# Altium PCB MCU063B_PCB.PcbDoc (part 1 of 9) (continued)
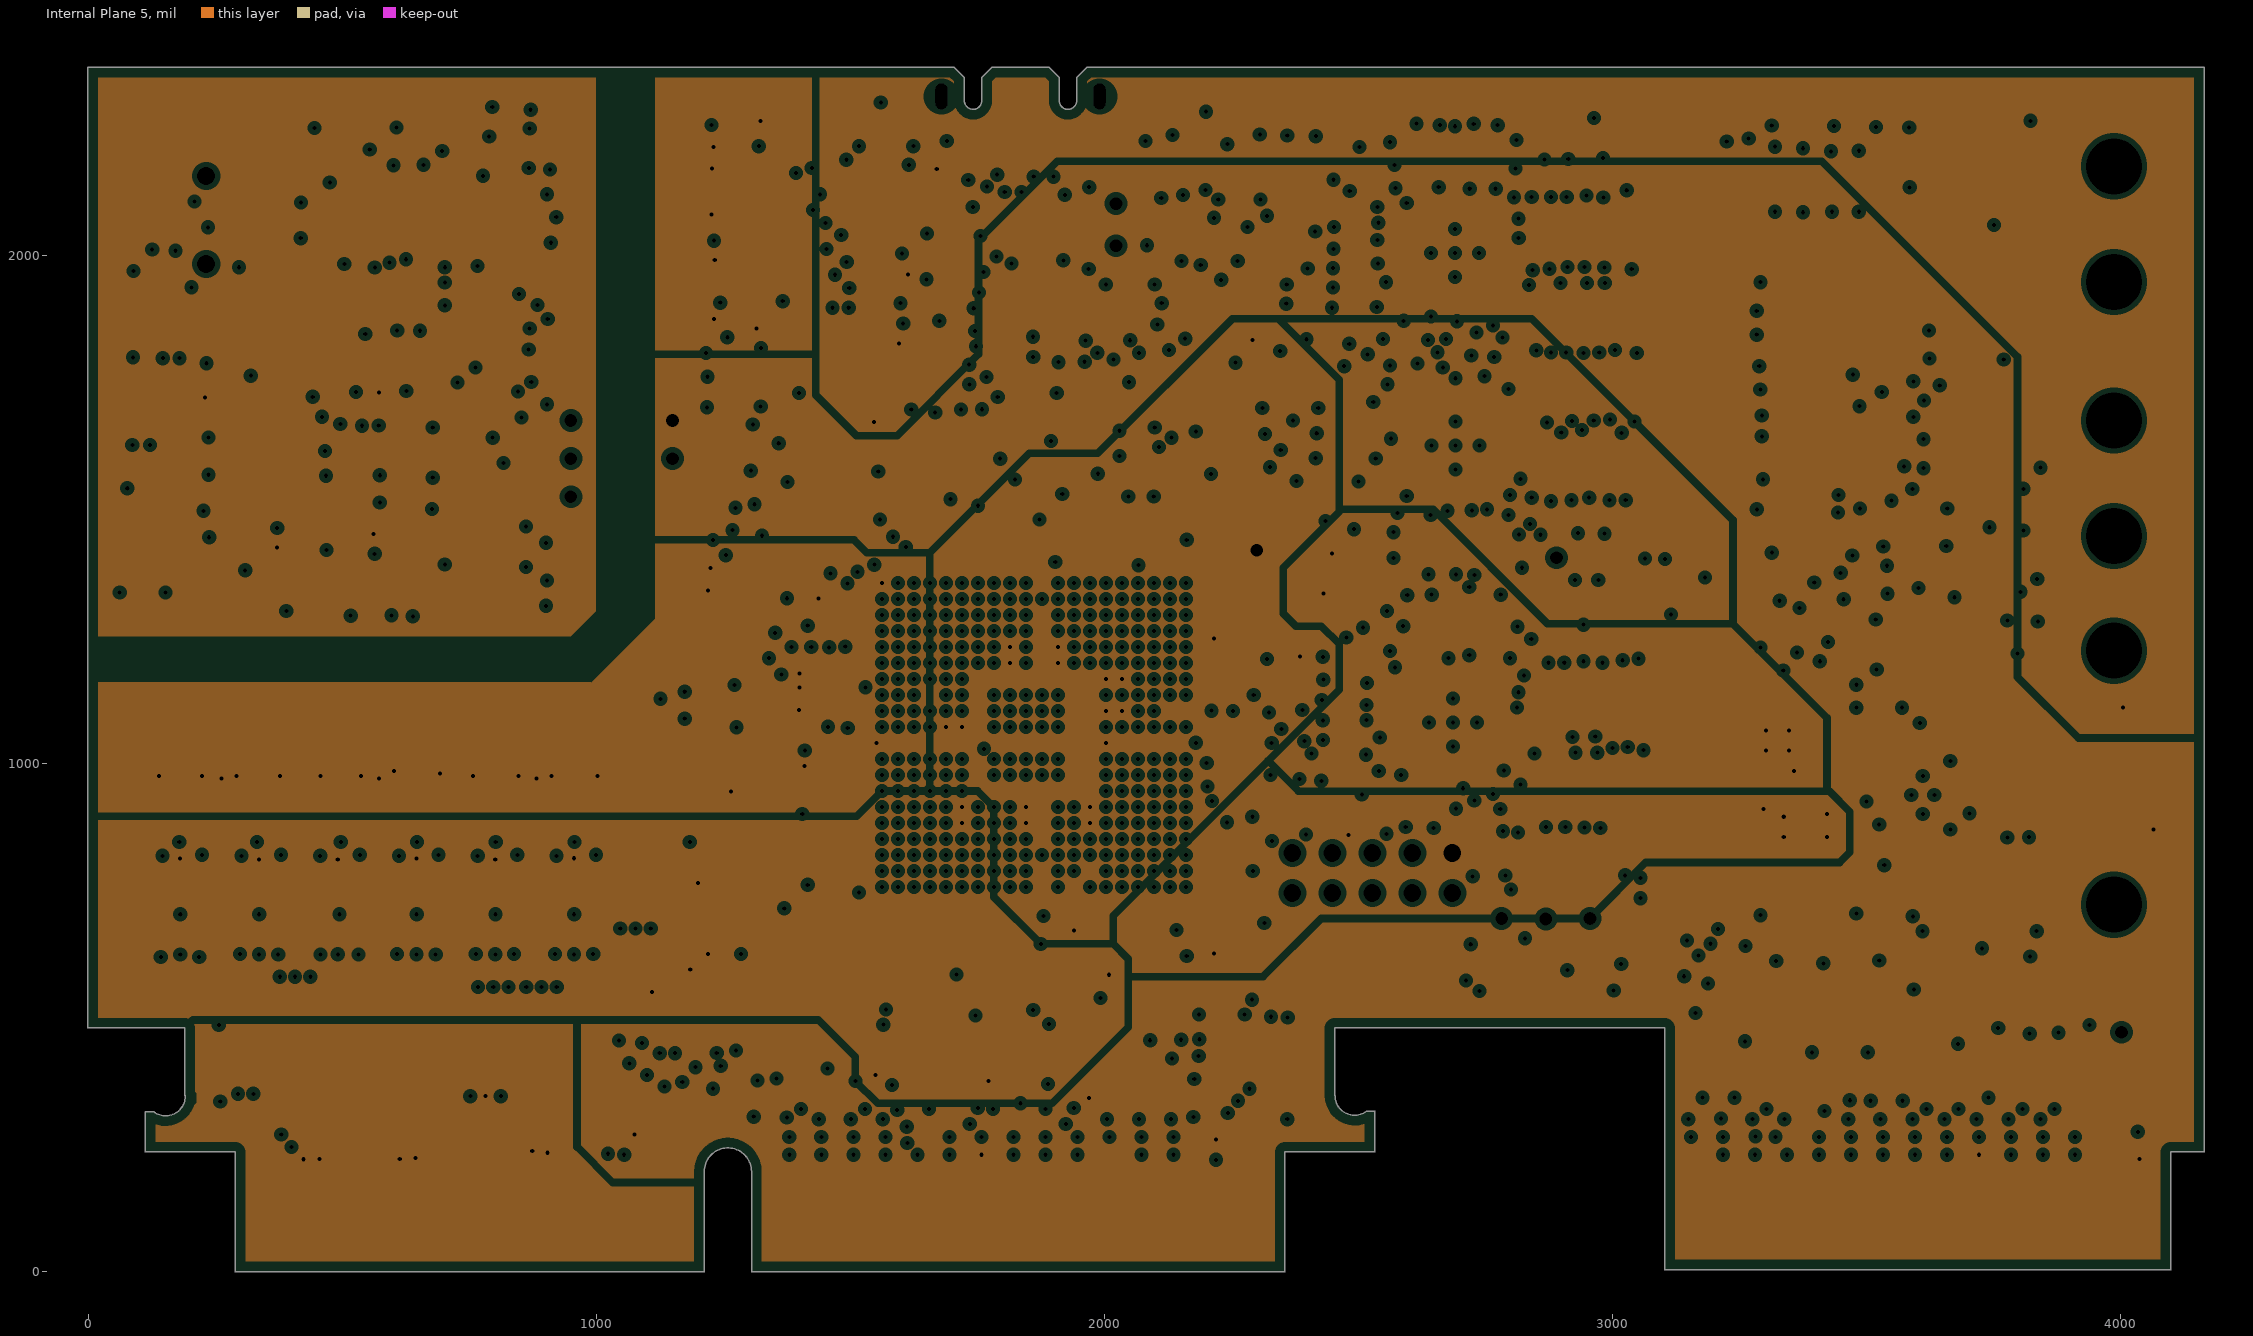
[diagram p5: Internal Plane 5, clearances drawn from the general rule]
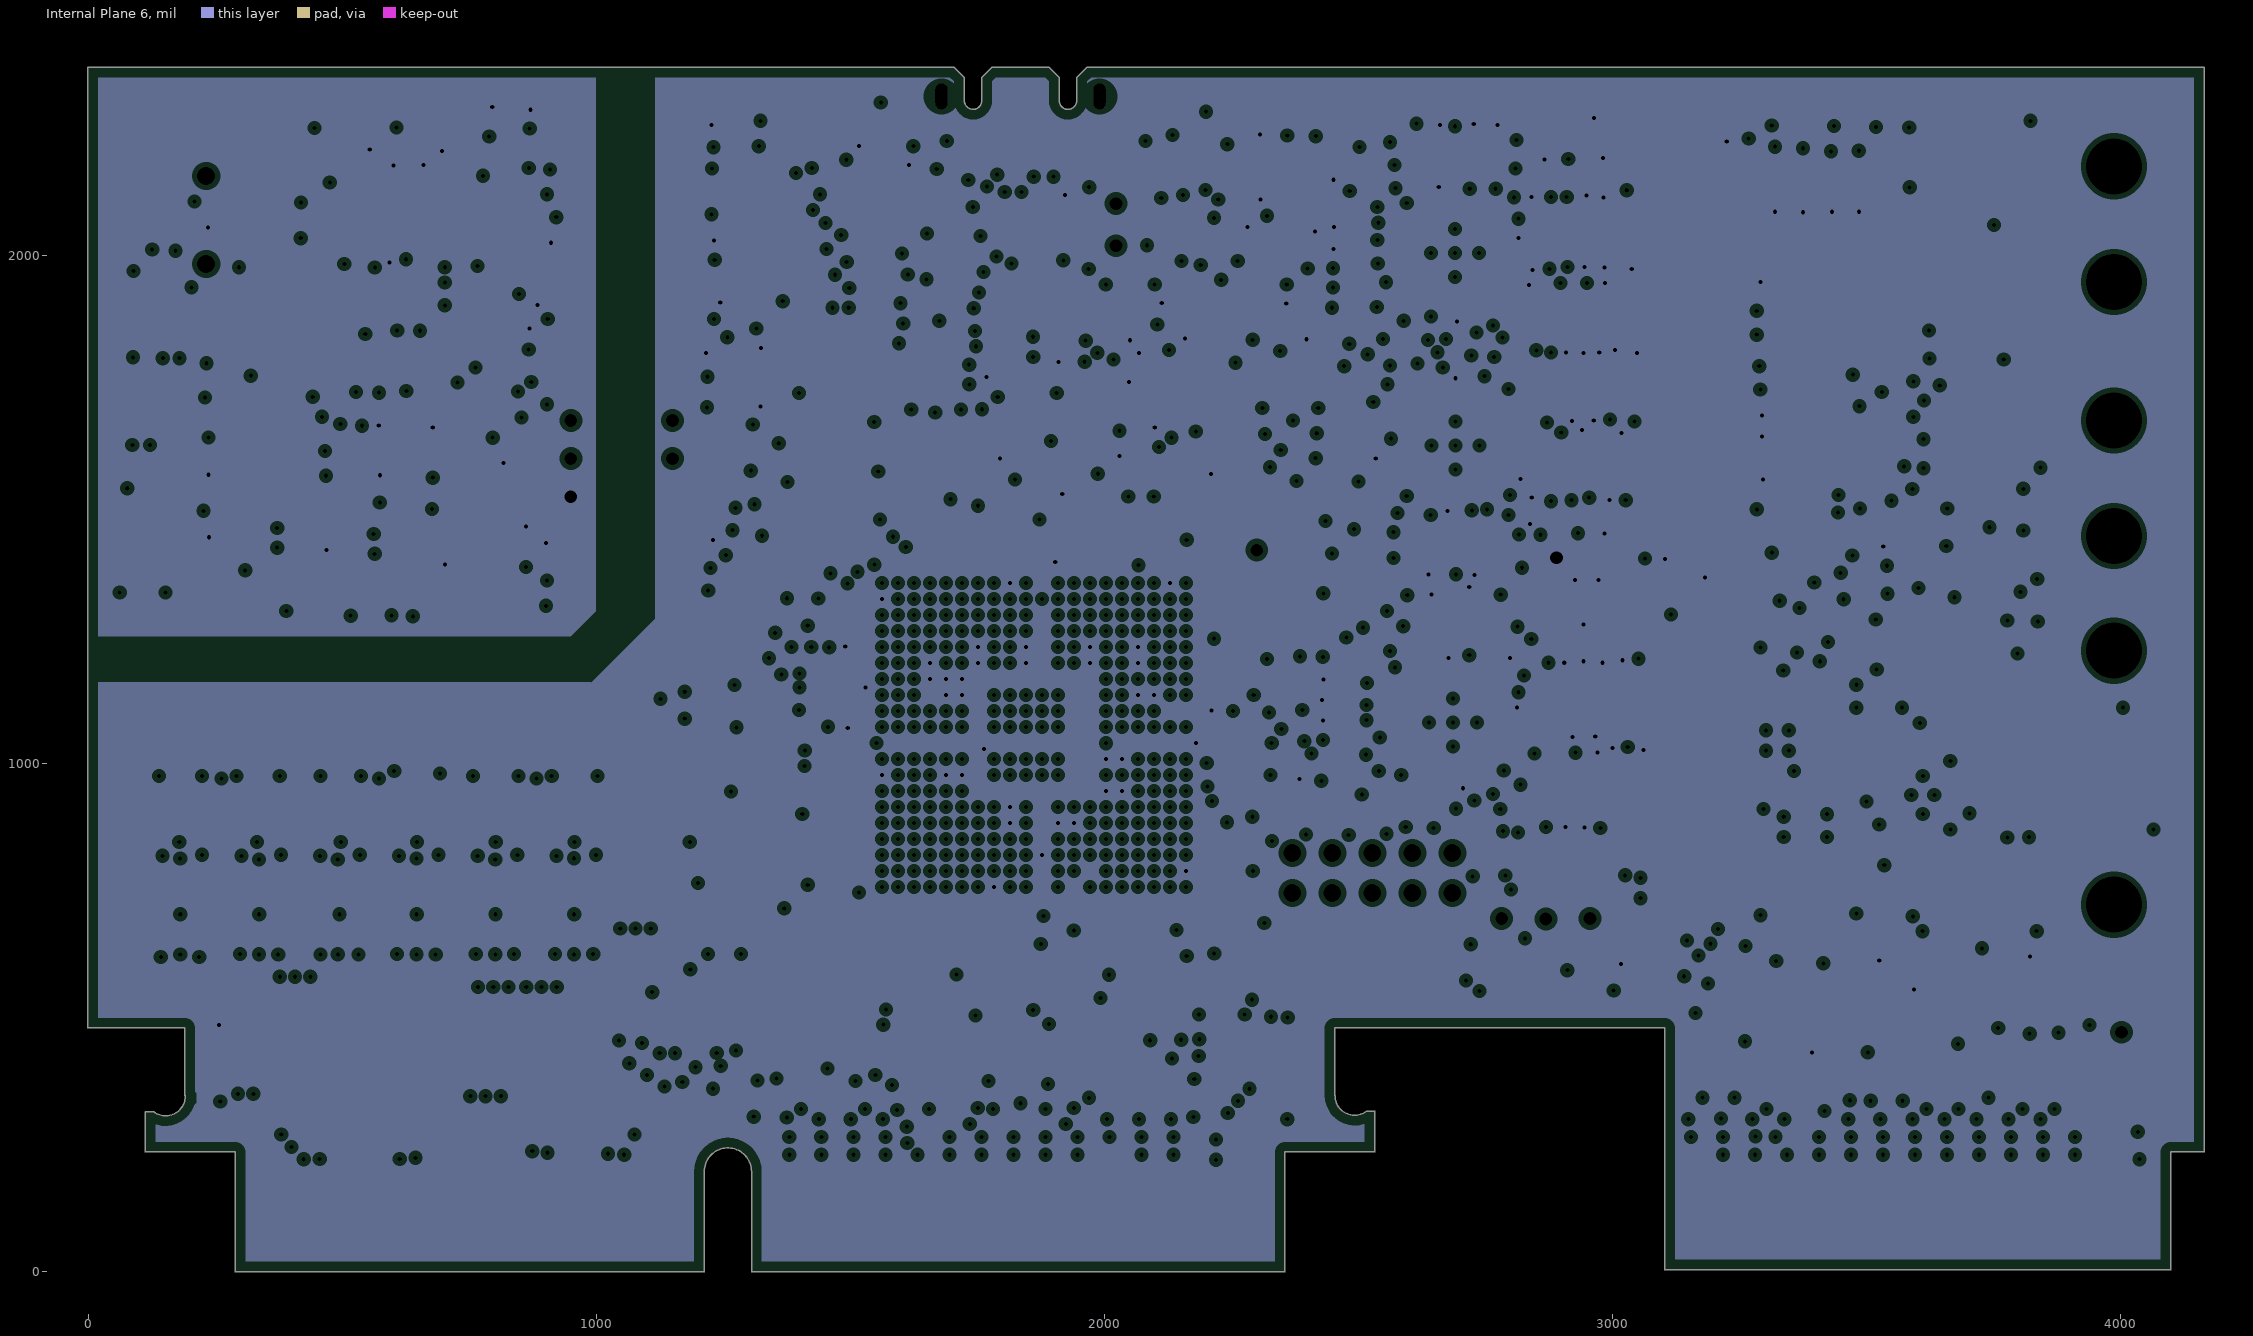
[diagram p6: Internal Plane 6, clearances drawn from the general rule]
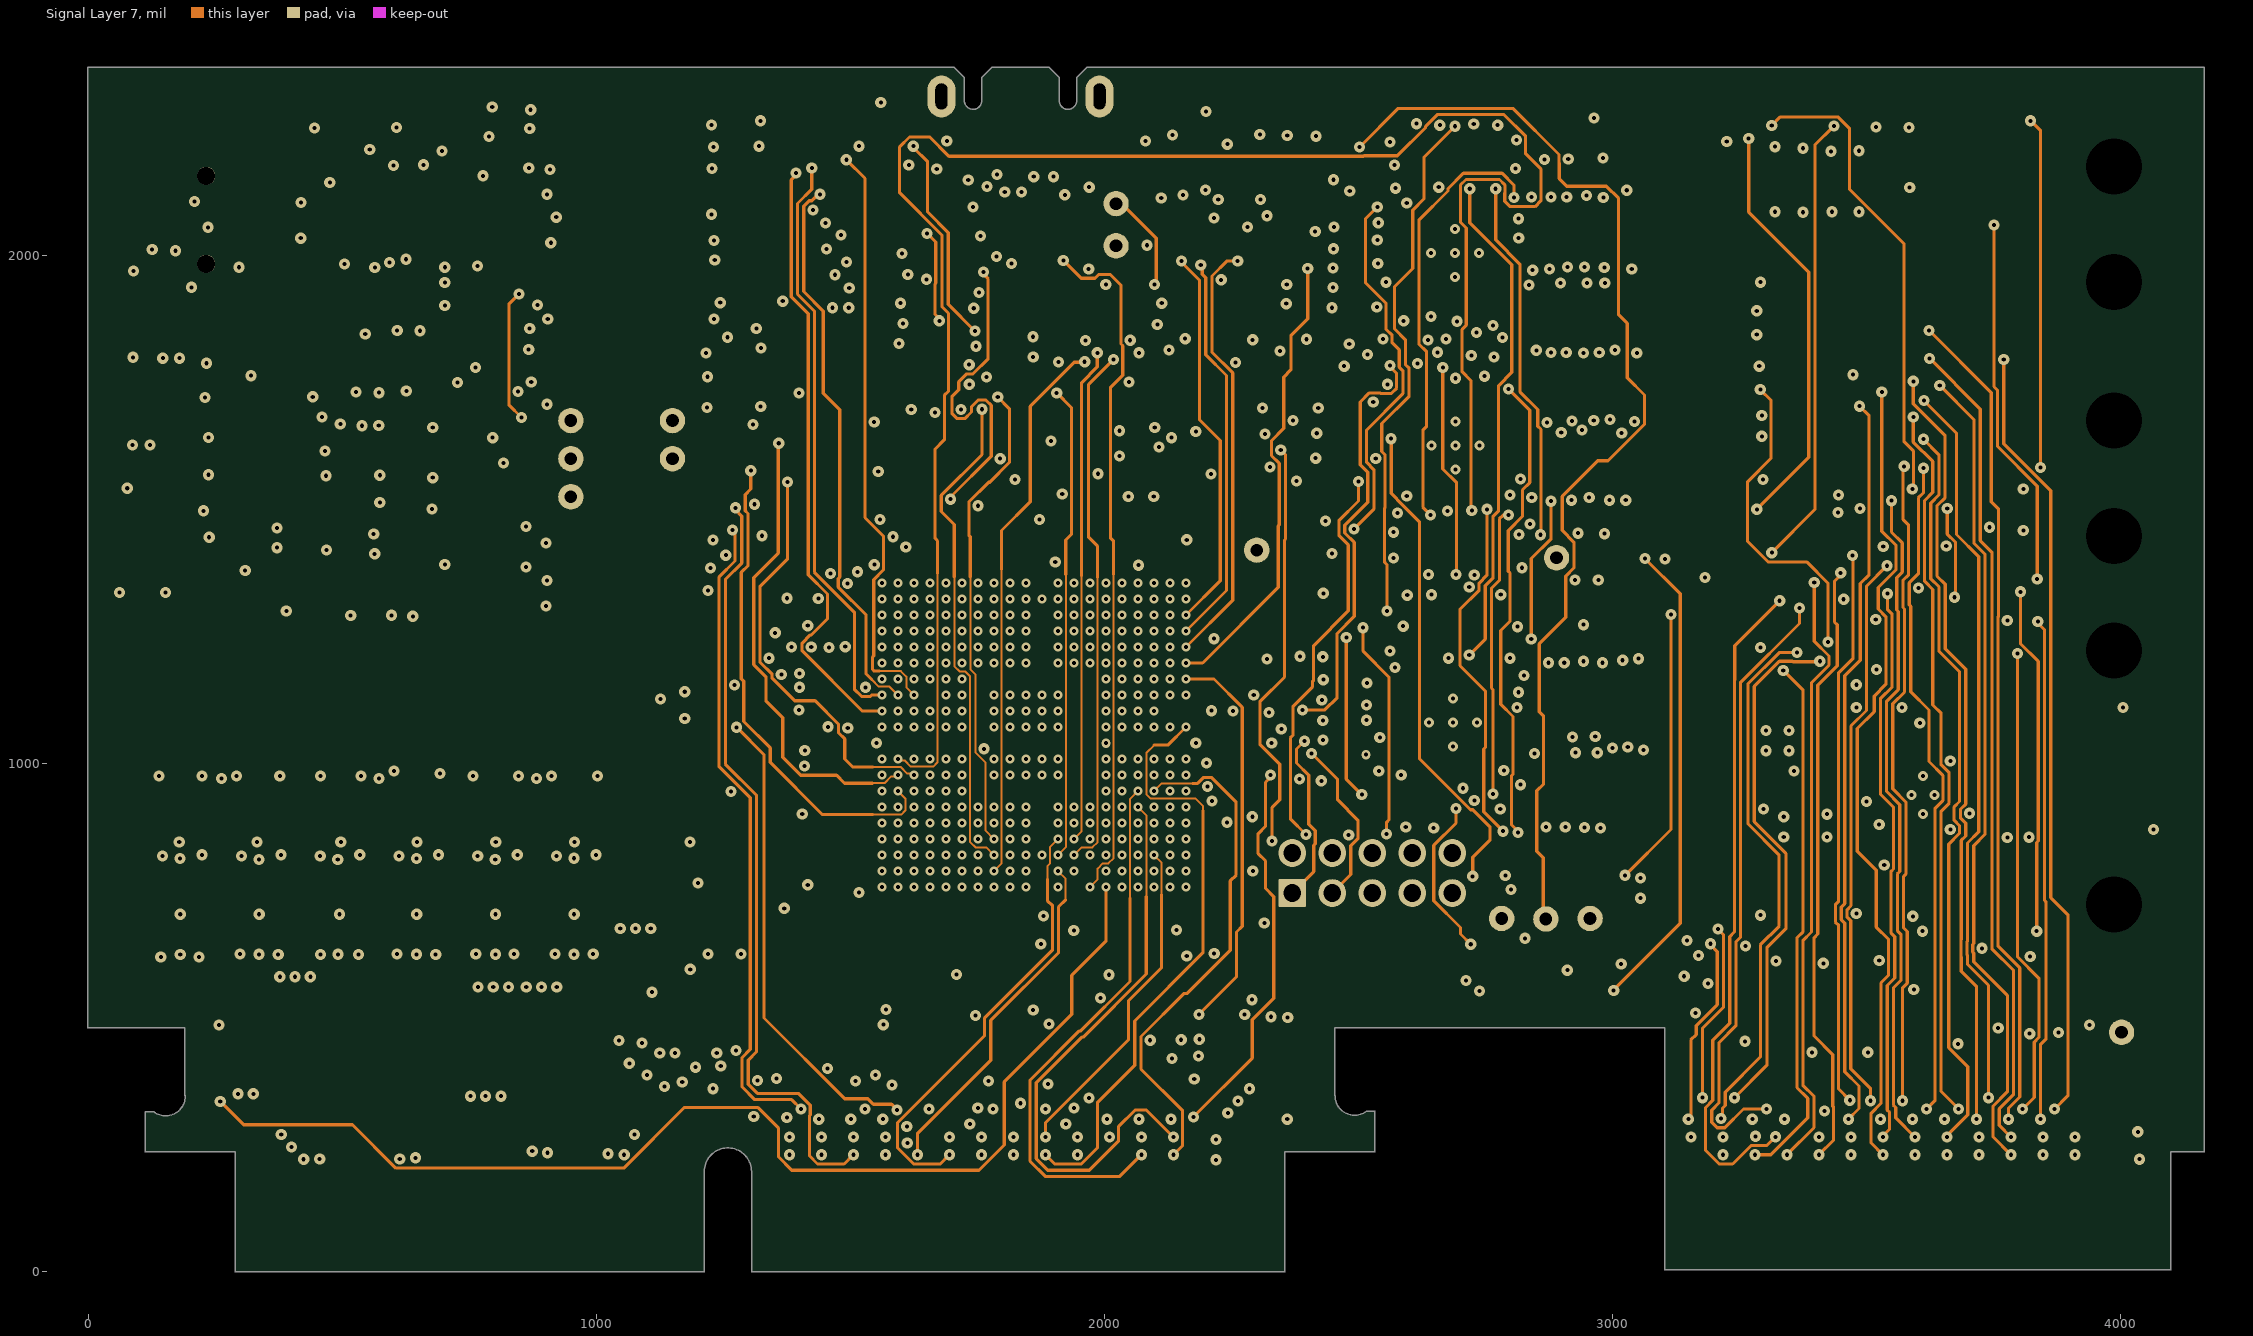
[diagram p7: Signal Layer 7]
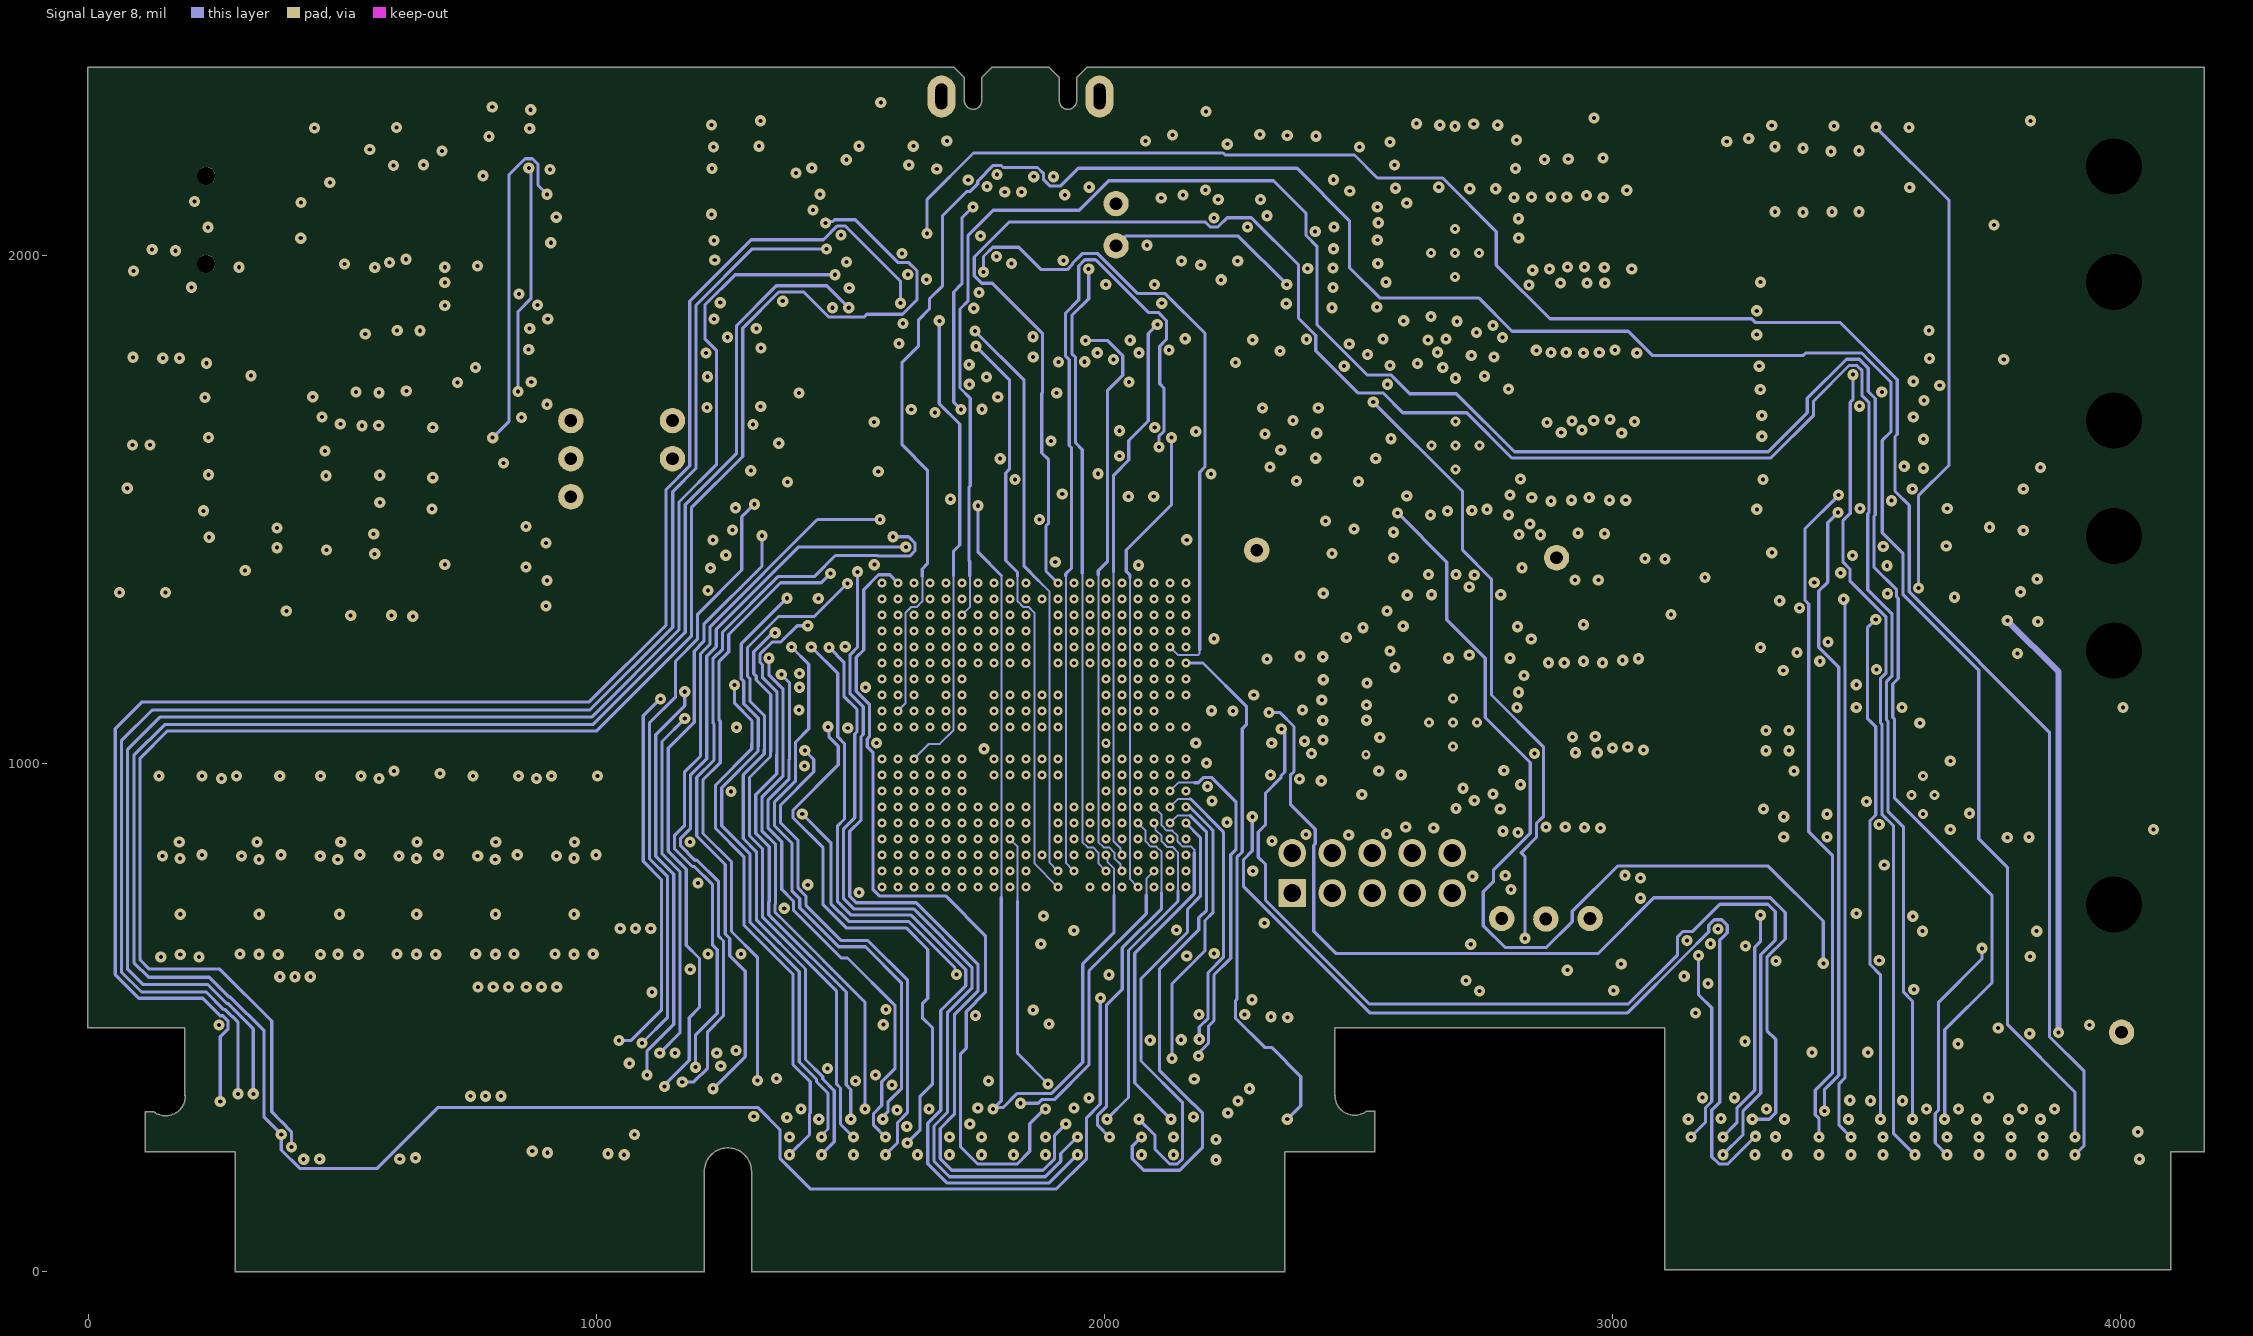
[diagram p8: Signal Layer 8]